# Altium PCB ЕРКФ.758725.093Д11_и1_МВВ.PcbDoc (part 2 of 3) (continued)
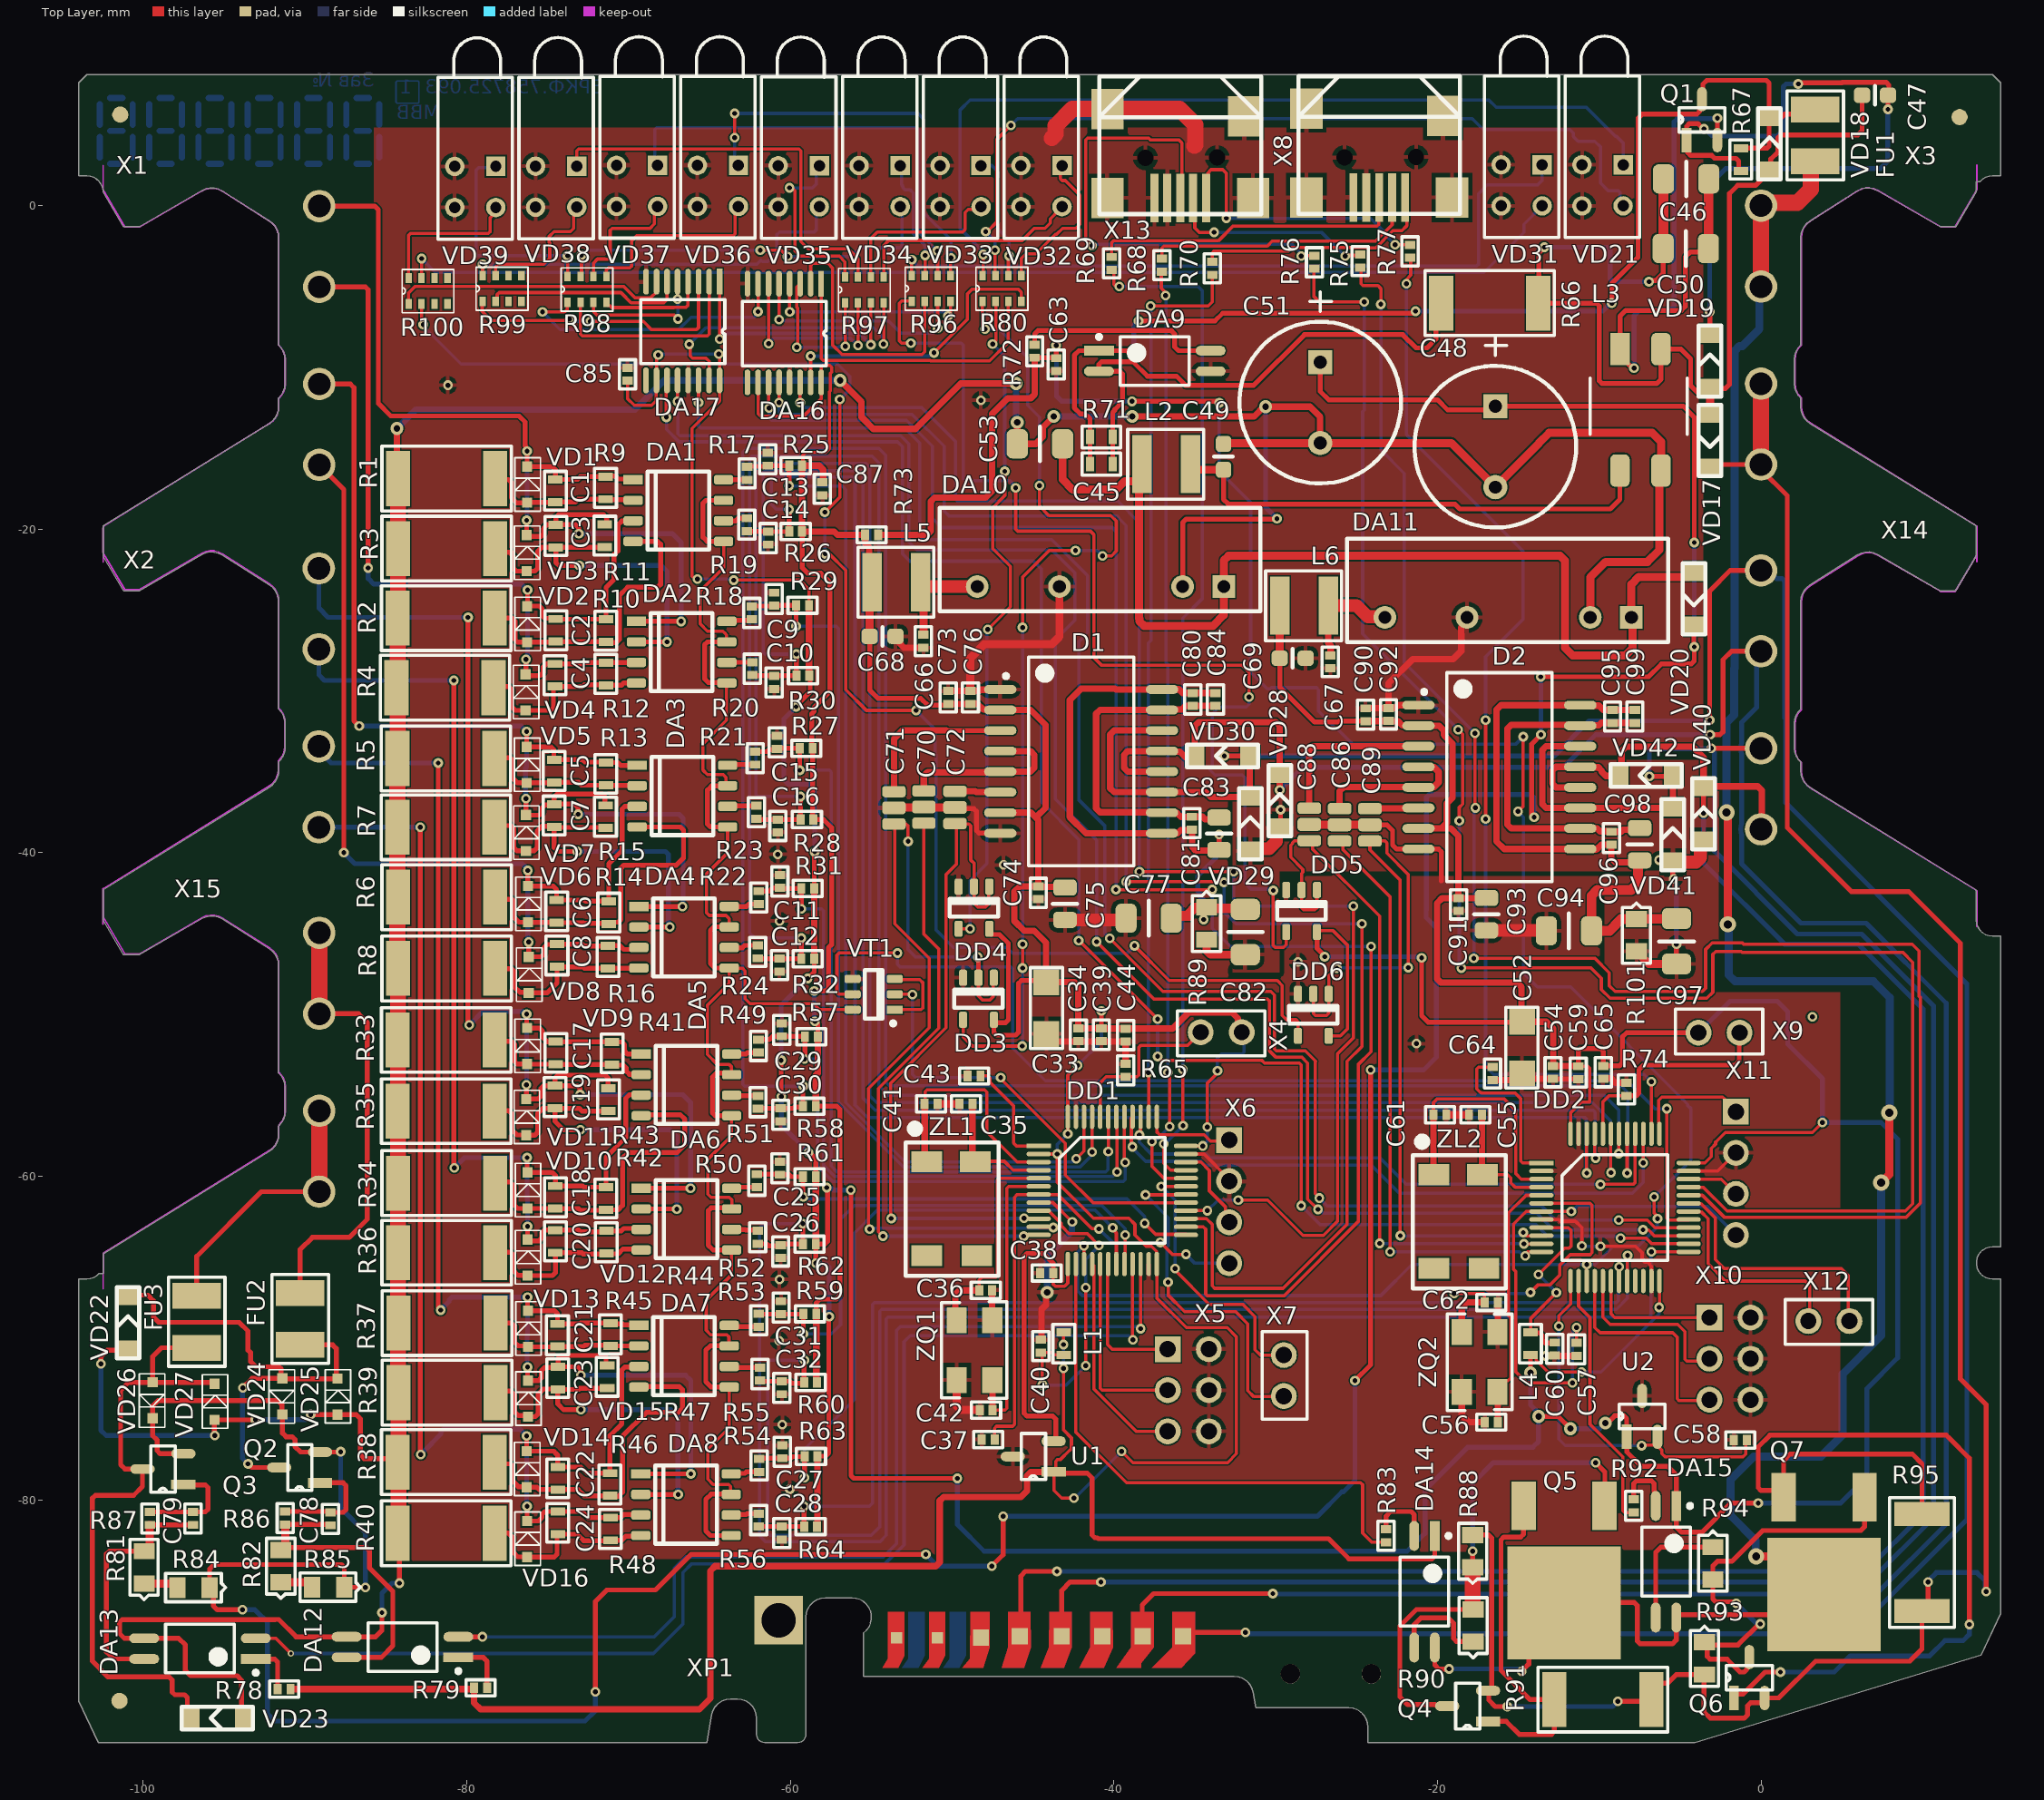
[diagram p0: Top Layer view]
## Nets (pads, with @x,y where several pads share a name; then routed paths per layer and width w, separated by ;. In a path a pad name is that pad's centre, name@x,y a point inside that pad or via, vN(x,y) a via of type N, cw(c..) or ccw(c..) an arc to the next point about the centre after c; other vN are vias at no path point) (continued)
  Top Layer w0.4: VD5.K@-76.3,-33.46 VD5.K@-76.27,-33.49
  Bottom Layer w0.3: v1(-86.65,-32.175) -76.626,-32.175 v1(-76.3,-32.5) ; v1(-76.35,-36.65) -76.375,-36.625 -76.375,-34.775 -76.3,-34.7 v1(-76.3,-32.5) ; v1(-73.125,-37.625) -66.875,-37.625 -66.625,-37.875 -66.625,-43.275 v1(-66.675,-43.325)
IN1_3: C17.2 C19.2 DA5.1 DA6.1 R41.2 R43.2 VD9.K VD11.K X2.1 | length 79.9
  Top Layer w0.3: v1(-79.925,-25.45) -79.925,-50.575 v1(-79.85,-50.65) ; v1(-76.325,-54.35) VD11.K@-76.325,-55.235 -76.315,-55.225 -75.601,-55.225 -75.425,-55.049 -75.425,-54.576 -75.249,-54.4 C19.2@-74.55,-54.4 ; v1(-76.3,-49.975) -76.3,-50.935 -76.215,-50.85 -75.501,-50.85 -75.325,-51.026 -75.325,-51.4 -75.025,-51.7 -74.525,-51.7 C17.2@-74.5,-51.675 -74.488,-51.687 -71.038,-51.687 R41.2@-71.025,-51.7 -70.426,-51.7 -70.25,-51.876 -70.25,-52.269 -70.074,-52.445 DA5.1@-69.219,-52.445 ; v1(-73,-54.95) -73,-54.576 -73.176,-54.4 C19.2@-74.55,-54.4 ; R43.2@-71.25,-54.55 -71.275,-54.525 -71.275,-53.926 -71.451,-53.75 -74.374,-53.75 -74.55,-53.926 C19.2@-74.55,-54.4 ; DA6.1@-69.219,-60.745 -66.18,-60.745 v1(-66.175,-60.75)
  Bottom Layer w0.3: X2.1@-89.15,-22.425 -89.15,-24.875 -88.575,-25.45 v1(-79.925,-25.45) ; v1(-79.85,-50.65) -79,-49.8 -76.556,-49.8 -76.381,-49.975 v1(-76.3,-49.975) -76.3,-54.325 v1(-76.325,-54.35) ; v1(-73,-54.95) -66.65,-54.95 -66.175,-55.425 v1(-66.175,-60.75)
IN1_4: C21.2 C23.2 DA7.1 DA8.1 R45.2 R47.2 VD13.K VD15.K X2.3 | length 85.8
  Top Layer w0.3: v1(-81.775,-34.45) -81.775,-68.125 v1(-81.625,-68.275) ; VD15.K@-76.25,-72.76 v1(-76.25,-71.8) ; VD13.K@-76.25,-68.435 v1(-76.25,-67.475) ; VD15.K@-76.225,-72.635 -75.576,-72.635 -75.4,-72.459 -75.4,-72.025 -75.2,-71.825 -74.425,-71.825 C23.2@-74.375,-71.775 ; VD13.K@-76.225,-68.31 -74.59,-68.31 -74.4,-68.5 C21.2@-74.4,-69.125 -73,-69.125 -72.95,-69.075 R45.2@-71.125,-69.075 -71.075,-69.125 -70.375,-69.125 -70.325,-69.175 -69.414,-69.175 DA7.1@-69.369,-69.22 ; v1(-72.95,-72.3) -72.95,-71.951 -73.126,-71.775 C23.2@-74.375,-71.775 ; R47.2@-71.325,-71.7 -71.4,-71.625 -71.4,-71.176 -71.501,-71.075 -74.175,-71.075 -74.351,-71.251 -74.351,-71.751 C23.2@-74.375,-71.775 ; DA8.1@-69.244,-78.395 v1(-66.155,-78.395)
  Bottom Layer w0.3: X2.3@-89.15,-33.425 -89.15,-33.7 -88.4,-34.45 v1(-81.775,-34.45) ; v1(-81.625,-68.275) -81.1,-67.75 -81.1,-67.65 -80.925,-67.475 v1(-76.25,-67.475) -76.25,-69.85 -76.275,-69.875 -76.275,-71.775 v1(-76.25,-71.8) ; v1(-72.95,-72.3) -66.475,-72.3 -66.155,-72.62 v1(-66.155,-78.395)
IN2_1: C2.2 C4.2 DA1.3 DA2.3 R10.2 R12.2 VD2.K VD4.K X1.2 | length 57.6
  Top Layer w0.3: X1.2@-89.125,-5.025 -86.276,-5.025 -86.1,-5.201 v1(-86.1,-22.4) ; VD4.K@-76.375,-28.97 VD4.K@-76.35,-28.995 ; v1(-76.35,-28.05) VD4.K@-76.35,-28.995 ; VD2.K@-76.275,-24.76 -76.265,-24.75 -75.526,-24.75 -75.35,-24.926 -75.35,-25.349 -75.193,-25.506 -74.544,-25.506 C2.2@-74.5,-25.55 -74.487,-25.562 -71.412,-25.562 R10.2@-71.4,-25.575 -71.4,-23.6 -70.9,-23.1 -70.9,-21.579 -70.662,-21.341 -70.662,-19.737 -70.425,-19.5 -69.734,-19.5 DA1.3@-69.719,-19.485 ; VD2.K@-76.25,-24.71 v1(-76.25,-23.75) ; DA2.3@-69.979,-28.235 -69.987,-28.242 -71.393,-28.242 R12.2@-71.4,-28.25 -72.85,-28.25 -72.925,-28.325 C4.2@-74.55,-28.325 -75.075,-28.325 -75.275,-28.525 -75.275,-28.849 -75.451,-29.025 -75.55,-29.025 -75.575,-29.05 -76.295,-29.05 VD4.K@-76.35,-28.995
  Top Layer w0.4: DA1.3@-70.029,-19.485 DA1.3@-69.719,-19.485 ; DA2.3@-69.829,-28.235 DA2.3@-69.519,-28.235
  Bottom Layer w0.3: v1(-86.1,-22.4) -86.1,-23.05 -85.75,-23.4 -76.6,-23.4 v1(-76.25,-23.75) -76.25,-27.869 -76.35,-27.969 v1(-76.35,-28.05)
IN2_2: C6.2 C8.2 DA3.3 DA4.3 R14.2 R16.2 VD6.K VD8.K X1.4 | length 63.2
  Top Layer w0.3: X1.4@-89.125,-16.025 -87.6,-17.55 v1(-87.6,-40) ; v1(-76.225,-41.1) VD6.K@-76.225,-42.06 -74.665,-42.06 -74.551,-42.174 -74.45,-42.275 C6.2@-74.45,-42.925 -72.725,-42.925 -72.65,-43 R14.2@-71.225,-43 -71.225,-40.675 -70.4,-39.85 -70.4,-37.3 -70.238,-37.138 -69.472,-37.138 DA3.3@-69.469,-37.135 ; v1(-76.175,-45.525) VD8.K@-76.175,-46.435 -76.165,-46.425 -75.401,-46.425 -75.225,-46.249 -75.225,-45.844 -75.049,-45.668 -74.443,-45.668 C8.2@-74.425,-45.65 -72.875,-45.65 -72.75,-45.775 -71.3,-45.775 R16.2@-71.275,-45.75 -70.525,-45.75 -70.3,-45.975 -69.484,-45.975 DA4.3@-69.369,-45.86
  Bottom Layer w0.3: v1(-87.6,-40) -86.925,-40.675 -76.575,-40.675 -76.225,-41.025 v1(-76.225,-41.1) -76.225,-45.475 v1(-76.175,-45.525)
IN2_3: C18.2 C20.2 DA5.3 DA6.3 R42.2 R44.2 VD10.K VD12.K X2.2 | length 71.4
  Top Layer w0.3: v1(-80.8,-29.35) -80.8,-59.45 v1(-80.775,-59.475) ; VD10.K@-76.275,-59.81 v1(-76.275,-58.85) ; v1(-76.25,-63.1) VD12.K@-76.25,-63.91 -76.16,-64 -75.551,-64 -75.375,-63.824 -75.375,-63.501 -75.199,-63.325 C20.2@-74.525,-63.325 -73.075,-63.325 -72.975,-63.425 -71.425,-63.425 R44.2@-71.375,-63.375 -70.45,-63.375 -70.3,-63.225 -69.279,-63.225 DA6.3@-69.219,-63.285 ; VD10.K@-76.25,-59.76 -74.715,-59.76 -74.525,-59.95 C18.2@-74.525,-60.6 -72.85,-60.6 -72.775,-60.675 R42.2@-71.4,-60.675 -71.4,-58.825 -70.175,-57.6 -70.175,-55.175 -69.95,-54.95 -69.254,-54.95 DA5.3@-69.219,-54.985
  Bottom Layer w0.3: X2.2@-89.15,-27.425 -89.15,-29 -88.8,-29.35 v1(-80.8,-29.35) ; v1(-80.775,-59.475) -80.15,-58.85 v1(-76.275,-58.85) -76.275,-61.425 -76.25,-61.45 v1(-76.25,-63.1)
IN2_4: C22.2 C24.2 DA7.3 DA8.3 R46.2 R48.2 VD14.K VD16.K X2.4 | length 80.2
  Top Layer w0.3: v1(-82.875,-38.425) -82.875,-77.175 v1(-82.85,-77.2) ; v1(-76.3,-76.05) VD14.K@-76.3,-76.995 -74.63,-76.995 -74.476,-77.149 -74.375,-77.25 C22.2@-74.375,-77.971 -72.954,-77.971 -72.575,-78.35 R46.2@-71.15,-78.35 -71.15,-76.025 -70.425,-75.3 -70.425,-71.976 -70.249,-71.8 -69.409,-71.8 DA7.3@-69.369,-71.76 ; v1(-76.275,-80.4) VD16.K@-76.275,-81.31 -75.585,-81.31 -75.35,-81.075 -75.35,-80.901 -75.174,-80.725 C24.2@-74.375,-80.725 -72.875,-80.725 -72.5,-81.1 R48.2@-71.125,-81.1 -70.5,-81.1 -70.31,-80.91 DA8.3@-69.394,-80.91
  Bottom Layer w0.3: X2.4@-89.15,-38.425 v1(-82.875,-38.425) ; v1(-82.85,-77.2) -82.175,-76.525 -82.175,-76.5 -81.6,-75.925 -81.6,-75.801 -81.424,-75.625 -76.725,-75.625 v1(-76.3,-76.05) -76.3,-80.375 v1(-76.275,-80.4)
in24+: DA14.4 DA15.4 FU1.1 Q5.2 Q7.2 X3.1 X3.2 | length 143.8
  Top Layer w0.3: DA14.4@-20.165,-89.125 -20.165,-90.21 -19.9,-90.475 -19.3,-90.475 v1(-19.275,-90.45) ; v1(-14.8,-90.6) -14.349,-90.149 -14.349,-88.549 Q5.2@-12.175,-86.375 -12.15,-86.35 -7.826,-86.35 -7.65,-86.526 -7.65,-88.724 -7.474,-88.9 -5.475,-88.9 -5.24,-88.665 DA15.4@-5.24,-87.275 ; DA15.4@-5.101,-87.1 2.65,-87.1 Q7.2@3.9,-85.85 Q7.2@1.55,-83.5
  Top Layer w0.5: v3(-2.125,-37.504) -2.05,-37.579 v3(-2.05,-44.425) ; v3(-0.3,-83.5) Q7.2@1.55,-83.5 ; v3(7.425,-60.4) 7.925,-59.9 v3(7.925,-56.075)
  Top Layer w1: X3.2@0,-5 X3.1@0,0 0.175,0.175 2.25,0.175 3.075,1 3.075,2.475 FU1.1@3.35,2.75
  Bottom Layer w0.3: v1(-19.275,-90.45) -15.031,-90.45 -14.881,-90.6 v1(-14.8,-90.6)
  Bottom Layer w0.5: v3(-2.125,-37.504) -2.125,-31.95 -1.65,-31.475 -1.65,-28.625 -1.625,-28.6 -1.625,-8.968 -1.332,-8.675 -1.15,-8.675 -0.1,-7.625 -0.1,-5.1 X3.2@0,-5 ; v3(-2.05,-44.425) -2,-44.475 -2,-47.55 -1.6,-47.95 6.95,-47.95 7.95,-48.95 7.95,-56.05 v3(7.925,-56.075) ; v3@-0.325,-83.7 -0.325,-82.525 -1.875,-80.975 -1.875,-78.75 -0.45,-77.325 3.7,-77.325 5.05,-75.975 5.05,-72.225 7.425,-69.85 v3(7.425,-60.4)
in24-: Q4.3 Q6.3 R88.1 R91.1 R93.1 R95.1 VD17.K X3.3 X3.4 | length 139.3
  Top Layer w0.3: R88.1@-17.825,-82.175 -16.826,-82.175 -16.65,-82.351 -16.65,-91.661 -16.789,-91.8 Q4.3@-16.875,-91.8 -16.826,-91.849 -16.826,-92.374 -16.425,-92.775 v1(-15.675,-92.775) ; v1(-8.85,-92.45) -6.875,-92.45 R91.1@-6.775,-92.35 -6.775,-91.926 -6.175,-91.326 -5.751,-91.326 -5.225,-90.8 R93.1@-3.5,-90.8 -3.525,-90.825 -3.525,-93.1 -3.125,-93.5 -1.05,-93.5 -0.825,-93.275 -0.825,-92.726 -0.649,-92.55 0.086,-92.55 0.225,-92.411 Q6.3@0.225,-92.25 1.1,-92.25 3.375,-89.975 9.2,-89.975 9.95,-89.225 R95.1@9.95,-86.875 10.325,-86.5 v1(10.325,-85.075) ; VD17.K@-3.15,-16.225 -2.925,-16 X3.4@0,-16 0,-16.3 1.625,-17.925 1.625,-29.525 1.625,-38.45 5.575,-42.4 9.125,-42.4 12.325,-45.6 12.325,-72.525 13.925,-74.125 v1(13.925,-85.675)
  Top Layer w0.5: X3.3@-0.368,-11 X3.3@0,-11
  Top Layer w1: X3.4@0,-16 X3.3@0,-11
  Bottom Layer w0.3: v1(-15.675,-92.775) -9.176,-92.775 v1(-8.85,-92.45) ; v1(10.325,-85.075) 10.325,-85.014 10.839,-84.5 13.35,-84.5 13.868,-85.018 13.868,-85.618 v1(13.925,-85.675)
MOSI_1: DA16.14 DD1.28 | length 94.9
  Top Layer w0.2: v1(-59.4,-12.175) DA16.14@-59.4,-10.925 ; v1(-38.425,-41.175) v1(-32.6,-41.175) ; DD1.28@-35.55,-62.125 v1(-34.225,-62.125) ; v1(-32.312,-61.463) -30.492,-61.463 -28.305,-63.65 -27.05,-63.65 -26.175,-62.775 -26.175,-52.425 -25.2,-51.45 v1(-25.2,-43.3)
  Bottom Layer w0.2: v1(-59.4,-12.175) -59.1,-12.475 -51.875,-12.475 -49.8,-14.55 -49.8,-18.147 -49.683,-18.264 -39.761,-18.264 -38.425,-19.6 v1(-38.425,-41.175) ; v1(-34.225,-62.125) -33.563,-61.463 v1(-32.312,-61.463) ; v1(-32.6,-41.175) -32.6,-42.85 -32.15,-43.3 v1(-25.2,-43.3)
MOSI_2: DA17.14 DD2.28 | length 107.6
  Top Layer w0.2: v1(-65.675,-12.175) DA17.14@-65.675,-10.8 ; v1(-40.25,-45.3) -36.975,-48.575 -30.3,-48.575 -30.075,-48.8 -30.075,-52.133 -29.958,-52.25 -28.166,-52.25 -27.533,-52.883 -27.55,-52.9 -27.55,-61.075 -27.3,-61.325 v1(-27.3,-61.35) ; v1(-8.8,-62.7) -7.025,-62.7 -6.55,-63.175 DD2.28@-4.475,-63.175
  Bottom Layer w0.2: v1(-65.675,-12.175) -65.675,-13.633 -65.558,-13.75 -52.924,-13.75 -52,-14.674 -52,-20.533 -51.883,-20.65 -43.85,-20.65 -41.625,-22.875 -41.625,-26.4 -42.175,-26.95 -42.175,-36.725 -40.575,-38.325 -40.575,-44.975 v1(-40.25,-45.3) ; v1(-27.3,-61.35) -26.825,-61.825 -13.575,-61.825 -12.7,-62.7 v1(-8.8,-62.7)
NetC1_1: C1.1 DA1.2 R1.2 R9.1 VD1.A | length 9.8
  Top Layer w0.3: R1.2@-78.25,-16.875 -78.2,-16.925 -77.425,-16.925 -77.25,-17.1 -77.25,-18.05 -76.935,-18.365 VD1.A@-76.275,-18.365 -76.255,-18.345 -74.545,-18.345 C1.1@-74.525,-18.325 -73.3,-18.325 -73.125,-18.15 R9.1@-71.425,-18.15 -71.392,-18.182 -69.751,-18.182 DA1.2@-69.719,-18.215
NetC2_1: C2.1 DA1.4 R2.2 R10.1 VD2.A | length 18.9
  Top Layer w0.3: R2.2@-78.275,-25.5 -77.201,-25.5 -77.025,-25.676 -77.025,-26.814 -76.849,-26.99 VD2.A@-76.275,-26.99 -74.54,-26.99 C2.1@-74.5,-26.95 -74.487,-26.962 -71.412,-26.962 R10.1@-71.4,-26.975 -71.375,-27 -70.75,-27 -70.575,-26.825 -70.575,-24.1 -70.062,-23.587 -68.201,-23.587 -68.025,-23.412 -68.025,-20.931 -68.201,-20.755 DA1.4@-69.719,-20.755
NetC3_1: C3.1 DA2.2 R3.2 R11.1 VD3.A | length 23.5
  Top Layer w0.3: R3.2@-78.25,-21.2 -78.025,-21.425 -77.25,-21.425 -77.25,-21.55 -77.125,-21.675 -77.125,-22.414 -76.949,-22.59 VD3.A@-76.3,-22.59 -75.801,-22.59 -75.625,-22.414 -75.625,-21.375 -75.375,-21.125 C3.1@-74.5,-21.125 -74.5,-22.049 -74.299,-22.25 v1(-73.05,-22.25) ; C3.1@-74.487,-21.112 R11.1@-71.487,-21.112 ; DA2.2@-69.519,-26.965 v1(-67.625,-26.965)
  Top Layer w0.4: R3.2@-78.25,-21.2 R3.2@-78.15,-21.1 ; C3.1@-74.5,-21.125 C3.1@-74.487,-21.112 ; R11.1@-71.487,-21.112 R11.1@-71.475,-21.1
  Bottom Layer w0.3: v1(-73.05,-22.25) -67.975,-22.25 -67.625,-22.6 v1(-67.625,-26.965)
NetC4_1: C4.1 DA2.4 R4.2 R12.1 VD4.A | length 11.1
  Top Layer w0.3: R4.2@-78.35,-29.8 -78.275,-29.725 -77.425,-29.725 -77.25,-29.9 -77.25,-30.95 -77,-31.2 VD4.A@-76.375,-31.2 -74.826,-31.2 -74.65,-31.024 -74.65,-29.825 C4.1@-74.55,-29.725 -72.825,-29.725 -72.725,-29.625 -71.425,-29.625 R12.1@-71.4,-29.65 -70.45,-29.65 -70.3,-29.5 -69.984,-29.5 DA2.4@-69.979,-29.505
NetC5_1: C5.1 DA3.2 R5.2 R13.1 VD5.A | length 10.2
  Top Layer w0.3: R5.2@-78.291,-34.175 -78.241,-34.125 -77.325,-34.125 -77.15,-34.3 -77.15,-35.4 -76.875,-35.675 -76.315,-35.675 VD5.A@-76.3,-35.69 -76.28,-35.67 -74.62,-35.67 C5.1@-74.6,-35.65 -73.1,-35.65 -72.925,-35.825 R13.1@-71.4,-35.825 -71.38,-35.845 -69.489,-35.845 DA3.2@-69.469,-35.865
NetC6_1: C6.1 DA3.4 R6.2 R14.1 VD6.A | length 21.1
  Top Layer w0.3: R6.2@-78.25,-42.75 -78.125,-42.875 -77.226,-42.875 -77.125,-42.976 -77.125,-43.95 -76.775,-44.3 -76.235,-44.3 VD6.A@-76.225,-44.29 -76.207,-44.307 -74.467,-44.307 C6.1@-74.45,-44.325 -72.8,-44.325 -72.75,-44.375 -71.25,-44.375 R14.1@-71.225,-44.4 -71.125,-44.3 -70.651,-44.3 -70.475,-44.124 -70.475,-40.951 -70.299,-40.775 -67.05,-40.775 -66.6,-40.325 -66.6,-38.6 -66.795,-38.405 DA3.4@-69.469,-38.405
NetC7_1: C7.1 DA4.2 R7.2 R15.1 VD7.A | length 24.5
  Top Layer w0.3: R7.2@-78.3,-38.425 -78.199,-38.324 -77.276,-38.324 -77.1,-38.5 -77.1,-39.699 -76.924,-39.875 -76.365,-39.875 VD7.A@-76.35,-39.89 -76.335,-39.875 -75.826,-39.875 -75.65,-39.699 -75.65,-38.65 -75.375,-38.375 -74.625,-38.375 C7.1@-74.6,-38.4 ; v1(-73.175,-39.925) -74.35,-39.925 -74.6,-39.675 C7.1@-74.6,-38.4 ; R15.1@-71.425,-38.475 -71.462,-38.437 -74.562,-38.437 C7.1@-74.6,-38.4 ; DA4.2@-69.369,-44.59 v1(-67.46,-44.59)
  Bottom Layer w0.3: v1(-73.175,-39.925) -67.726,-39.925 -67.55,-40.101 -67.55,-44.288 -67.517,-44.32 -67.517,-44.533 v1(-67.46,-44.59)
NetC8_1: C8.1 DA4.4 R8.2 R16.1 VD8.A | length 11.4
  Top Layer w0.3: R8.2@-78.25,-47.15 -78.226,-47.174 -77.226,-47.174 -77.05,-47.35 -77.05,-48.3 -76.725,-48.625 -76.215,-48.625 VD8.A@-76.175,-48.665 -75.04,-48.665 -74.425,-48.05 C8.1@-74.425,-47.05 -72.825,-47.05 -72.725,-47.15 R16.1@-71.275,-47.15 -71.265,-47.14 -69.379,-47.14 DA4.4@-69.369,-47.13
NetC17_1: C17.1 DA5.2 R33.2 R41.1 VD9.A | length 10.7
  Top Layer w0.3: R33.2@-78.275,-51.575 -78.201,-51.649 -77.251,-51.649 -77.05,-51.85 -77.05,-52.889 -76.874,-53.065 VD9.A@-76.275,-53.065 -76.27,-53.07 -74.505,-53.07 C17.1@-74.5,-53.075 -74.488,-53.087 -71.038,-53.087 R41.1@-71.025,-53.1 -71,-53.125 -70.325,-53.125 -70.15,-53.3 -70.15,-53.5 -69.95,-53.7 -69.234,-53.7 DA5.2@-69.219,-53.715
  Top Layer w0.4: VD9.A@-76.315,-53.15 -76.3,-53.165 VD9.A@-76.292,-53.157
NetC18_1: C18.1 DA5.4 R34.2 R42.1 VD10.A | length 21
  Top Layer w0.3: R34.2@-78.25,-60.425 -78.175,-60.35 -77.325,-60.35 -77.075,-60.6 -77.075,-61.775 -76.86,-61.99 VD10.A@-76.25,-61.99 -74.535,-61.99 C18.1@-74.525,-62 -73.1,-62 -73,-62.1 -71.425,-62.1 R42.1@-71.4,-62.075 -70.65,-62.075 -70.375,-61.8 -70.375,-58.875 -70.025,-58.525 -67,-58.525 -66.525,-58.05 -66.525,-56.475 -66.8,-56.2 -69.164,-56.2 DA5.4@-69.219,-56.255
NetC19_1: C19.1 DA6.2 R35.2 R43.1 VD11.A | length 25.1
  Top Layer w0.3: R35.2@-78.275,-55.975 -78.25,-55.95 -77.4,-55.95 -77.225,-56.125 -77.225,-57.125 -76.9,-57.45 -76.34,-57.45 VD11.A@-76.325,-57.465 -75.801,-57.465 -75.625,-57.289 -75.625,-56.125 -75.3,-55.8 C19.1@-74.55,-55.8 ; v1(-72.975,-57.125) -74.025,-57.125 -74.55,-56.6 C19.1@-74.55,-55.8 ; R43.1@-71.275,-55.975 -72.875,-55.975 -73.05,-55.8 C19.1@-74.55,-55.8 ; DA6.2@-69.219,-62.015 -67.035,-62.015 v1(-67.025,-62.025)
  Top Layer w0.4: R43.1@-71.275,-55.975 R43.1@-71.25,-55.95
  Bottom Layer w0.3: v1(-72.975,-57.125) -67.45,-57.125 -67.025,-57.55 v1(-67.025,-62.025)
NetC20_1: C20.1 DA6.4 R36.2 R44.1 VD12.A | length 11.7
  Top Layer w0.3: R36.2@-78.25,-64.725 -78.225,-64.7 -77.3,-64.7 -77.175,-64.825 -77.175,-65.775 -76.825,-66.125 -76.265,-66.125 VD12.A@-76.25,-66.14 -74.701,-66.14 -74.525,-65.964 C20.1@-74.525,-64.725 -72.9,-64.725 -72.825,-64.8 -71.4,-64.8 R44.1@-71.375,-64.775 -71.357,-64.793 -70.643,-64.793 -70.35,-64.5 -69.274,-64.5 DA6.4@-69.219,-64.555
NetC21_1: C21.1 DA7.2 R37.2 R45.1 VD13.A | length 10.1
  Top Layer w0.3: R37.2@-78.225,-69.075 -77.25,-69.075 -77.05,-69.275 -77.05,-70.25 -76.814,-70.486 -76.279,-70.486 VD13.A@-76.225,-70.54 -74.415,-70.54 C21.1@-74.4,-70.525 -72.775,-70.525 -72.7,-70.45 -71.15,-70.45 R45.1@-71.125,-70.475 -71.118,-70.482 -69.377,-70.482 DA7.2@-69.369,-70.49
NetC22_1: C22.1 DA7.4 R38.2 R46.1 VD14.A | length 21.2
  Top Layer w0.3: R38.2@-78.275,-77.671 -78.171,-77.775 -77.3,-77.775 -77.15,-77.925 -77.15,-78.85 -76.814,-79.186 -76.339,-79.186 VD14.A@-76.3,-79.225 -75.675,-79.225 -75.529,-79.371 C22.1@-74.375,-79.371 -73.129,-79.371 -72.75,-79.75 R46.1@-71.15,-79.75 -71.125,-79.775 -70.625,-79.775 -70.375,-79.525 -70.375,-76.075 -68.9,-74.6 -66.925,-74.6 -66.675,-74.35 -66.675,-73.176 -66.851,-73 -69.339,-73 DA7.4@-69.369,-73.03
NetC23_1: C23.1 DA8.2 R39.2 R47.1 VD15.A | length 25.8
  Top Layer w0.3: R39.2@-78.225,-73.375 -78.125,-73.275 -77.275,-73.275 -77.05,-73.5 -77.05,-74.55 -76.8,-74.8 -76.29,-74.8 VD15.A@-76.225,-74.865 -75.776,-74.865 -75.6,-74.689 -75.6,-73.475 -75.275,-73.15 -74.4,-73.15 C23.1@-74.375,-73.175 ; v1(-72.95,-74.425) -74.025,-74.425 -74.375,-74.075 C23.1@-74.375,-73.175 ; R47.1@-71.025,-73.125 -71.05,-73.1 -73,-73.1 -73.075,-73.175 C23.1@-74.375,-73.175 ; DA8.2@-69.244,-79.665 v1(-66.935,-79.665)
  Bottom Layer w0.3: v1(-72.95,-74.425) -67.4,-74.425 -66.95,-74.875 -66.95,-79.65 v1(-66.935,-79.665)
NetC24_1: C24.1 DA8.4 R40.2 R48.1 VD16.A | length 11.6
  Top Layer w0.3: R40.2@-78.275,-82.071 -78.254,-82.05 -77.45,-82.05 -77.15,-82.35 -77.15,-83.225 -76.85,-83.525 -76.29,-83.525 VD16.A@-76.275,-83.54 -74.601,-83.54 -74.425,-83.364 -74.425,-82.175 C24.1@-74.375,-82.125 -73.175,-82.125 -73.051,-82.249 -72.775,-82.525 -71.15,-82.525 R48.1@-71.125,-82.5 -70.425,-82.5 -70.17,-82.245 -69.459,-82.245 DA8.4@-69.394,-82.18
NetC35_2: C35.2 DD1.4 ZL1.2 | length 7.8
  Top Layer w0.2: ZL1.2@-48.575,-59.1 -48.55,-59.075 -46.775,-59.075 -46.225,-59.625 DD1.4@-44.65,-59.625
  Top Layer w0.4: C35.2@-48.75,-55.525 -48.75,-58.925 ZL1.2@-48.575,-59.1
NetC36_2: C36.2 DD1.5 ZQ1.1 | length 13.6
  Top Layer w0.2: C36.2@-48.325,-67.05 -48.325,-66.4 -48.175,-66.25 -47.317,-66.25 -47.2,-66.133 -47.2,-60.242 -47.083,-60.125 DD1.5@-44.65,-60.125
  Top Layer w0.4: ZQ1.1@-49.725,-68.9 -49.8,-68.825 -49.8,-67.3 -49.55,-67.05 C36.2@-48.325,-67.05
NetC38_2: C38.2 DD1.13 U1.3 | length 18.9
  Top Layer w0.2: C38.2@-43.75,-65.975 -43.75,-66.675 -43.625,-66.8 -43.05,-66.8 -42.85,-66.6 DD1.13@-42.85,-65.425
  Top Layer w0.3: C38.2@-43.75,-65.975 -43.75,-65.375 -44.35,-64.775 -45.374,-64.775 -45.55,-64.951 -45.55,-74.649 -45.374,-74.825 -43.776,-74.825 -43.6,-75.001 -43.6,-76.25 U1.3@-43.725,-76.375
NetC40_2: C40.2 DD1.9 L1.2 | length 19.2
  Top Layer w0.2: DD1.9@-44.65,-62.125 -44.059,-62.125 -43.246,-62.938 -43.246,-63.079 -42.775,-63.55 -41.645,-63.55 v1(-40.922,-64.274) ; v1(-44.425,-72.9) -44.425,-71 C40.2@-44.525,-70.9 -43.85,-70.9 -43.725,-71.025 L1.2@-43.15,-71.025 ; v1(-41.75,-71.7) v1(-41.75,-66.875)
  Top Layer w0.3: L1.2@-43.15,-71.025 L1.2@-43.125,-71.05 ; L1.2@-43.1,-71.05 L1.2@-43.125,-71.05 ; L1.2@-43.1,-71.025 L1.2@-43.125,-71.05
  Bottom Layer w0.2: v1(-44.425,-72.9) -42.95,-72.9 v1(-41.75,-71.7) ; v1(-41.75,-66.875) -41.75,-65.15 -40.922,-64.322 v1(-40.922,-64.274)
NetC41_1: C41.1 DD1.3 ZL1.1 | length 14.8
  Top Layer w0.2: C41.1@-51.7,-55.525 -51.675,-55.5 -51.675,-54.767 -51.558,-54.65 -48,-54.65 -47.85,-54.8 -47.85,-57.25 -45.975,-59.125 DD1.3@-44.65,-59.125
  Top Layer w0.4: C41.1@-51.7,-55.525 -51.7,-58.975 ZL1.1@-51.575,-59.1
NetC42_2: C42.2 DD1.6 ZQ1.3 | length 18.4
  Top Layer w0.2: C42.2@-47.5,-74.45 -46.742,-74.45 -46.625,-74.333 -46.625,-60.742 -46.508,-60.625 DD1.6@-44.65,-60.625
  Top Layer w0.4: ZQ1.3@-47.525,-72.6 -47.5,-72.625 C42.2@-47.5,-74.45
NetC43_1: C43.1 DD1.1 | length 6.9
  Top Layer w0.2: C43.1@-48.25,-53.8 -47.8,-53.8 -47.675,-53.925 -47.675,-54.175 -46.2,-55.65 -46.2,-57.95 -46.025,-58.125 DD1.1@-44.65,-58.125
NetC45_1: C45.1 DA9.2 R66.2 R71.1 | length 33.4
  Top Layer w0.3: C45.1@-40.075,-15.975 R71.1@-40.075,-14.3 -40.075,-12.775 -39.95,-12.65 -39.95,-12.6 -39.475,-12.125 -39.475,-10.411 -39.651,-10.235 DA9.2@-40.925,-10.235 -40.939,-10.221 -40.939,-9.826 -40.764,-9.65 -38.825,-9.65 -37.925,-10.55 -36.125,-10.55 -35.575,-11.1 -31.35,-11.1 -28.225,-7.975 -22.15,-7.975 -21.325,-8.8 -20.65,-8.8 -20.1,-8.25 R66.2@-20.1,-5.95
NetC45_2: C45.2 DA9.1 FU1.2 Q1.2 R67.1 R71.2 VD18.K | length 73
  Top Layer w0.3: C45.2@-41.475,-15.975 R71.2@-41.475,-14.3 -41.475,-13.176 -41.651,-13 -41.7,-13 -41.825,-12.875 -42.075,-12.875 -42.45,-12.5 -42.45,-9.25 -42.165,-8.965 DA9.1@-40.925,-8.965 -39.21,-8.965 -39.2,-8.975 ; v1(-38.475,-7.125) -33.75,-7.125 -33.275,-6.65 -21.575,-6.65 v1@-21.525,-6.6 ; v1(-9.225,-6.025) -9.225,-4.825 -7.6,-3.2 -7.6,5.4 -7.35,5.65 -3.976,5.65 -3.8,5.826 -3.8,5.894 -3.65,6.044 Q1.2@-3.65,6.575 -3.593,6.632 -3.593,7.507 -3.35,7.75 0.324,7.75 0.5,7.574 VD18.K@0.5,5.55 ; R67.1@-1.25,3.55 0.375,3.55 0.5,3.675 VD18.K@0.5,5.55 ; FU1.2@3.35,5.95 3.05,5.65 1.475,5.65 1.3,5.475 0.575,5.475 VD18.K@0.525,5.525 VD18.K@0.5,5.55
  Bottom Layer w0.3: v1(-38.875,-8.975) -38.818,-8.918 -38.818,-8.705 -38.775,-8.663 -38.775,-7.425 v1(-38.475,-7.125) ; v1(-21.35,-6.525) -9.775,-6.525 v1@-9.275,-6.025
NetC46_1: C46.1 C47.1 C50.1 L3.4 R66.1 VD17.A VD18.A VD19.A | length 65.8
  Top Layer w0.3: v1(-13.4,-2.575) -13.725,-2.9 -13.725,-5.975 R66.1@-13.775,-6.025 -10.176,-6.025 -10,-6.201 -10,-10.824 -9.824,-11 -6.45,-11 -6.18,-10.73 L3.4@-6.18,-8.875 -4.95,-8.875 -4.35,-9.475 -4.35,-11.125 -3.95,-11.525 -3.375,-11.525 VD19.A@-3.15,-11.3 -2.2,-11.3 -1.95,-11.05 -1.95,0.75 -1.449,1.251 -0.349,1.251 VD18.A@0.525,2.125 0.6,2.2 0.6,2.875 1.05,3.325 1.05,4.199 1.226,4.375 6,4.375 6.25,4.625 C47.1@6.25,6.825 ; v1@-6.725,-4.625 -6.475,-4.625 -6.05,-4.2 C50.1@-6.05,-2.65 C50.1@-6.037,-2.637 ; C46.1@-6.037,1.638 C46.1@-6.025,1.65
  Top Layer w0.5: VD17.A@-3.15,-12.825 VD19.A@-3.15,-11.3
  Top Layer w0.6: C50.1@-6.037,-2.637 C46.1@-6.037,1.638
  Bottom Layer w0.3: v1(-13.4,-2.575) -9.501,-2.575 -9.325,-2.751 -9.325,-4.524 -9.149,-4.7 v1(-6.925,-4.7)
NetC46_2: C46.2 C50.2 L3.1 Q1.3 | length 38.4
  Top Layer w0.3: v1(-7.85,-10.05) -7.945,-10.05 -8.72,-9.275 L3.1@-8.72,-8.875 -8.72,-6.845 -8.35,-6.475 -4.925,-6.475 -4.675,-6.225 -4.675,-3.175 -4.375,-2.875 -3.475,-2.875 C50.2@-3.25,-2.65 C50.2@-3.237,-2.637 ; C46.2@-3.237,1.638 C46.2@-3.225,1.65 ; Q1.3@-2.7,4.05 v1(-2.7,5.4)
  Top Layer w0.6: C50.2@-3.237,-2.637 C46.2@-3.237,1.638
  Bottom Layer w0.3: v1(-7.85,-10.05) -7.85,-6.8 -7.525,-6.475 -5.65,-6.475 -5.375,-6.2 -5.375,5.175 -5.175,5.375 -2.725,5.375 v1(-2.7,5.4)
NetC47_2: C47.2 Q1.1 R67.2 VD19.K | length 46.9
  Top Layer w0.3: v1@-3.7,4.875 -3.9,5.075 -4.424,5.075 -4.6,4.899 Q1.1@-4.6,4.05 -4.525,3.975 -4.525,3.276 -4.349,3.1 -3.05,3.1 -2.876,2.926 -1.551,2.926 -1.376,2.751 -1.376,2.25 -1.276,2.15 R67.2@-1.25,2.15 ; v1(-3.175,-6.55) -3.15,-6.575 VD19.K@-3.15,-7.9 ; v1(2.3,7.525) 2.357,7.582 2.57,7.582 2.587,7.6 5.003,7.6 5.028,7.625 7.724,7.625 7.9,7.449 7.9,6.875 C47.2@7.85,6.825 v1(7.85,5.95)
  Bottom Layer w0.3: v1(-3.525,4.75) -3.444,4.75 -2.994,4.3 1,4.3 1.375,4.675 1.375,7.349 1.551,7.525 v1(2.3,7.525) ; v1(-3.175,-6.55) -3.175,1.3 -2.175,2.3 7.4,2.3 7.825,2.725 7.825,5.925 v1(7.85,5.95)
NetC49_2: C49.2 L2.1 L3.2 | length 30.8
  Top Layer w0.3: C49.2@-33.225,-16.325 -33.225,-18.157 -32.932,-18.45 -18.925,-18.45 -18.625,-18.75 -9.318,-18.75 -8.725,-18.157 L3.2@-8.725,-16.38
  Top Layer w0.5: L2.1@-35.275,-15.975 -34.925,-16.325 C49.2@-33.225,-16.325 ; L3.2@-8.725,-16.38 L3.2@-8.72,-16.375
NetC53_2: C53.2 DA10.1 DA11.1 L2.2 VD20.A | length 64.2
  Top Layer w0.5: C53.2@-43.175,-14.725 -43.175,-16.925 -42.55,-17.55 -39.85,-17.55 -39.332,-17.032 -38.625,-17.032 -38.45,-16.857 -38.45,-25.5 -38.425,-25.525 -38.425,-25.682 -38.132,-25.975 -33.875,-25.975 -33.21,-25.31 DA10.1@-33.21,-23.55 -33.21,-21.943 -32.917,-21.65 -12.418,-21.65 -12.125,-21.943 -12.125,-27.325 -11.65,-27.8 -8.375,-27.8 -7.95,-27.375 -7.95,-25.515 DA11.1@-8.015,-25.45 -8.015,-23.415 -7.55,-22.95 VD20.A@-4.55,-22.95
NetC55_2: C55.2 DD2.4 ZL2.2 | length 7.9
  Top Layer w0.2: ZL2.2@-17.225,-59.9 -15.675,-59.9 -15.475,-60.1 -15.475,-60.4 -15.2,-60.675 DD2.4@-13.575,-60.675
  Top Layer w0.4: C55.2@-17.25,-56.2 -17.25,-59.875 ZL2.2@-17.225,-59.9
NetC56_2: C56.2 DD2.5 ZQ2.1 | length 15.9
  Top Layer w0.2: ZQ2.1@-16.3,-73.325 -16.275,-73.35 -16.275,-73.125 -15.775,-72.625 -15.642,-72.625 -15.475,-72.458 -15.475,-68.742 -15.6,-68.617 -15.6,-62.251 -14.524,-61.175 DD2.5@-13.575,-61.175
  Top Layer w0.4: C56.2@-16.275,-75.2 ZQ2.1@-16.275,-73.35
NetC58_2: C58.2 DD2.13 U2.3 | length 23.8
  Top Layer w0.2: v1(-12.5,-69.275) -12.5,-68.625 -11.775,-67.9 DD2.13@-11.775,-66.475 ; v1(-7.375,-76.65) -7.337,-76.612 -6.585,-76.612 U2.3@-6.4,-76.427 ; U2.3@-6.4,-76.1 U2.3@-6.4,-76.427 ; C58.2@-0.875,-76.3 -0.95,-76.375 -0.95,-77.175 -1.125,-77.35 -5.925,-77.35 -6.125,-77.15 -6.125,-76.933 -6.4,-76.658 U2.3@-6.4,-76.427
  Bottom Layer w0.2: v1(-12.5,-69.275) -12.5,-76.25 -12.1,-76.65 v1(-7.375,-76.65)
NetC60_2: C60.2 DD2.9 L4.2 | length 12.2
  Top Layer w0.2: L4.2@-14.225,-69.675 -14.225,-68.775 v1(-12.65,-67.2) ; v1(-13.75,-66.075) -12.125,-64.45 -11.867,-64.45 -11.75,-64.333 -11.75,-63.325 -11.9,-63.175 DD2.9@-13.575,-63.175
  Top Layer w0.3: L4.2@-14.225,-69.675 -13.701,-69.675 -13.525,-69.851 -13.525,-70.124 -13.349,-70.3 -12.775,-70.3 C60.2@-12.75,-70.275
  Bottom Layer w0.2: v1(-13.75,-66.075) -12.65,-67.175 v1(-12.65,-67.2)
NetC61_1: C61.1 DD2.3 ZL2.1 | length 15.5
  Top Layer w0.2: C61.1@-20.25,-56.2 -20.25,-55.45 -20.025,-55.225 -15.875,-55.225 -15.15,-55.95 -15.15,-59.85 -14.825,-60.175 DD2.3@-13.575,-60.175
  Top Layer w0.4: ZL2.1@-20.25,-59.875 C61.1@-20.25,-56.2
NetC62_2: C62.2 DD2.6 ZQ2.3 | length 21.5
  Top Layer w0.2: v1(-18.975,-67.25) -17.15,-67.25 -17.083,-67.317 -17.083,-67.792 C62.2@-17.075,-67.8 ; v1(-14.25,-67.175) -13.8,-66.725 -13.05,-66.725 -12.45,-66.125 -12.45,-65.5 -11.8,-64.85 -10.575,-64.85 -10.45,-64.725 -10.45,-61.792 -10.567,-61.675 DD2.6@-13.575,-61.675
  Top Layer w0.4: ZQ2.3@-18.5,-69.625 -18.5,-68.125 -18.175,-67.8 C62.2@-17.075,-67.8
  Bottom Layer w0.2: v1(-18.975,-67.25) -14.325,-67.25 v1(-14.25,-67.175)
NetC64_1: C64.1 DD2.1 | length 10.4
  Top Layer w0.2: C64.1@-16.6,-53.25 -17.458,-53.25 -17.575,-53.367 -17.575,-54.6 -17.35,-54.825 -17.3,-54.825 -17.275,-54.85 -15.2,-54.85 -14.85,-55.2 -14.85,-59.058 -14.733,-59.175 DD2.1@-13.575,-59.175
NetC66_2: C66.2 DA10.7 L5.1 | length 6.7
  Top Layer w0.5: L5.1@-51.95,-23.275 -51.775,-23.45 -51.775,-23.525 C66.2@-51.775,-26.525
  Top Layer w0.8: L5.1@-51.775,-23.525 -51.75,-23.55 DA10.7@-48.45,-23.55
NetC67_2: C67.2 DA11.7 L6.1 | length 6.9
  Top Layer w0.4: L6.1@-26.75,-24.725 -26.75,-27.05 -26.6,-27.2 -26.6,-27.775 C67.2@-26.625,-27.8
  Top Layer w0.8: L6.1@-26.75,-24.725 -25,-24.725 -24.75,-24.975 -24.309,-25.416 -23.289,-25.416 DA11.7@-23.255,-25.45
NetC70_2: C70.2 D1.4 D1.5 | length 11
  Top Layer w0.3: D1.5@-47.065,-35.025 D1.5@-47.025,-34.985
  Top Layer w0.4: C70.2@-51.75,-36.175 -51.75,-35.25 -51.525,-35.025 D1.5@-47.065,-35.025 ; D1.5@-47.025,-34.985 -45.159,-34.985 -44.925,-34.751 -44.925,-33.949 -45.159,-33.715 D1.4@-47.025,-33.715
NetC71_2: C71.2 D1.3 | length 10.1
  Top Layer w0.3: -50.369,-32.425 -50.349,-32.445 D1.3@-47.025,-32.445
  Top Layer w0.4: C71.2@-53.6,-36.225 -53.6,-32.975 -53.05,-32.425 -50.369,-32.425
NetC72_2: C72.2 D1.6 | length 2.8
  Top Layer w0.3: -48.575,-36.2 -48.52,-36.255
  Top Layer w0.4: C72.2@-49.825,-36.2 -48.575,-36.2 ; -48.52,-36.255 D1.6@-47.025,-36.255